# Altium PCB GN-1866-A-V2.PCBDOC (part 2 of 5) (continued)
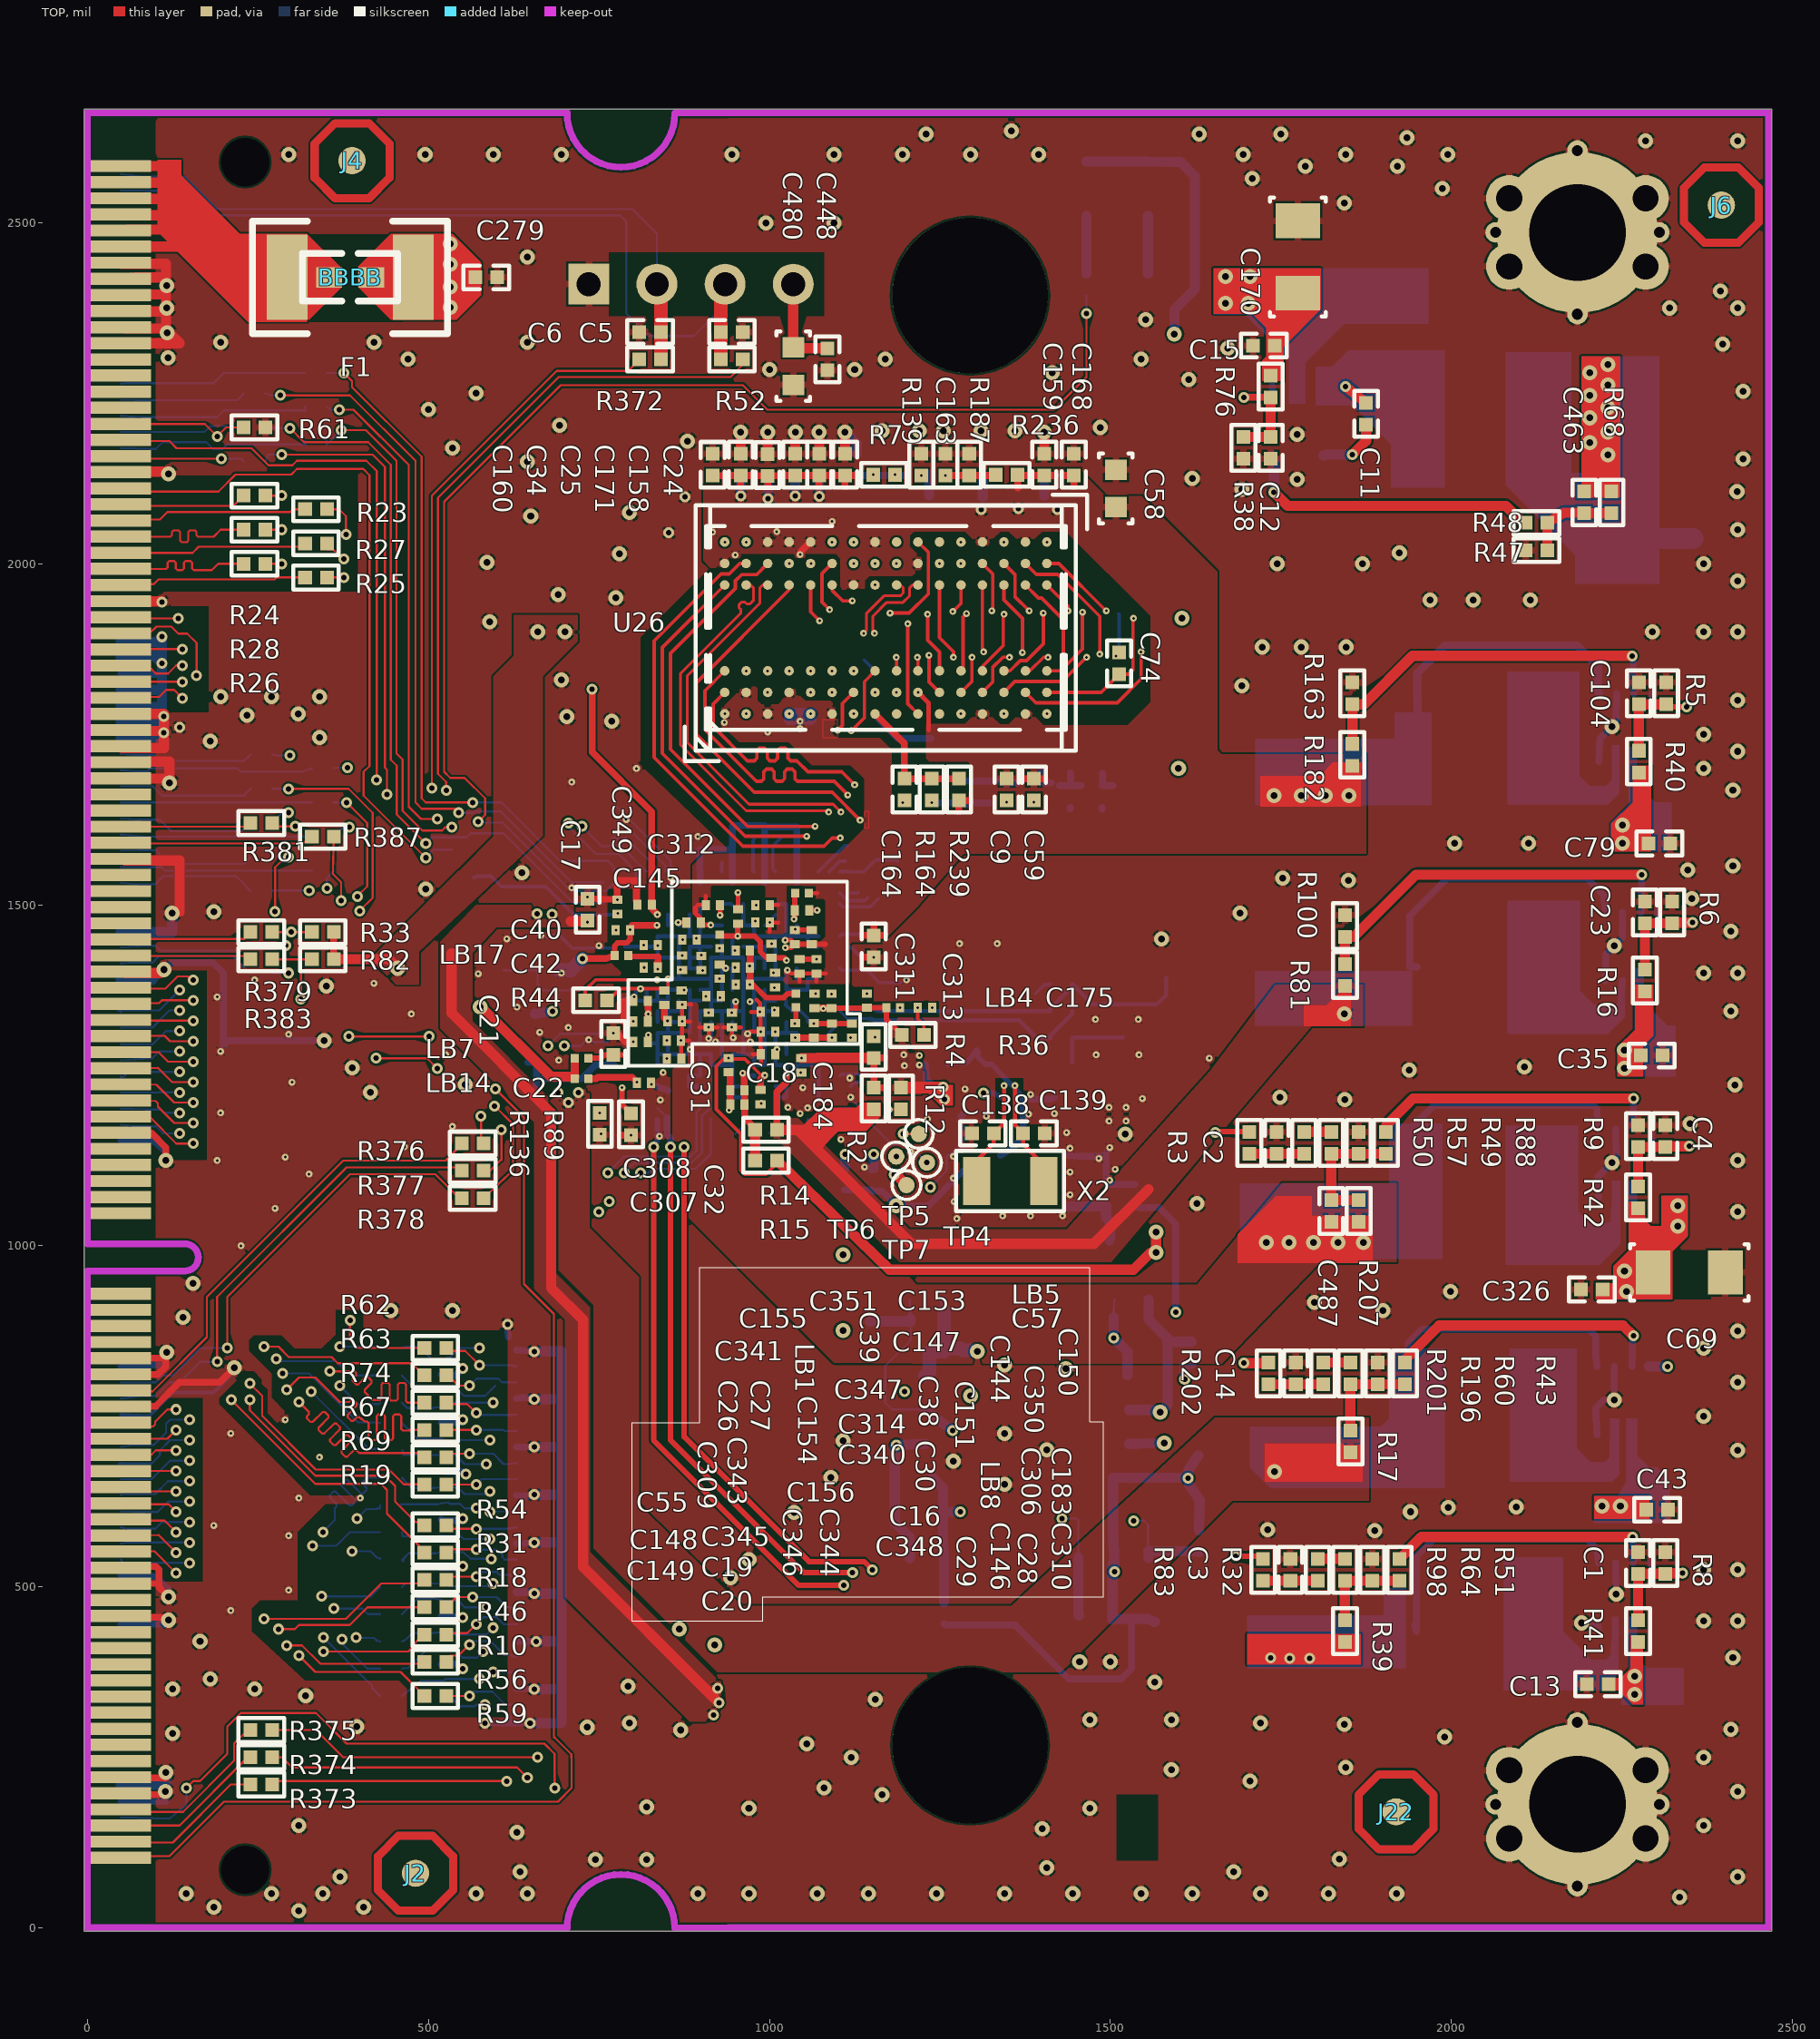
[diagram p0: TOP view]
## Nets (pads, with @x,y where several pads share a name; then routed paths per layer and width w, separated by ;. In a path a pad name is that pad's centre, name@x,y a point inside that pad or via, vN(x,y) a via of type N, cw(c..) or ccw(c..) an arc to the next point about the centre after c; other vN are vias at no path point) (continued)
  ART05 w3: v5(1051.84,1393.12) v1(1056.09,1406.86) ; v1(1280.92,1968.96) 1280.92,1948.08 1297.83,1931.17 v5(1297.83,1918.49)
DDR_CAS_N: U3.E4 U19.K3 U26.K3 | length 670.3
  TOP w5: v3(1217,1863) 1217.92,1862.08 U26.K3@1217.92,1842.98
  ART02 w3: v5(1213.81,1875) v3(1217,1863)
  ART03 w3: v5(1084.6,1485.61) 1108.62,1485.61 1120.01,1497 1191.92,1497 1241,1546.08 1241,1797.98 1214,1824.98 v5(1213.81,1875)
  ART05 w3: v1(1071.84,1485.6) v5(1084.6,1485.61) ; v5(1213.81,1875) 1227,1888.19 1227,1959.88 v1(1217.92,1968.96)
DDR_CKE0: U3.D3 U19.K9 U26.K9 | length 879.6
  TOP w5: v3(1176.9,1927.9) 1204.9,1927.9 1233,1956 1233,2016.87 U26.K9@1217.92,2031.95
  ART02 w3: v3(1176.9,1927.9) v5(1185.8,1919)
  ART03 w3: v5(1100,1502) 1107,1509 1186.94,1509 1229,1551.06 1229,1793 1202.81,1819.19 1202.81,1862.24 1200,1865.05 1200,1904.8 v5(1185.8,1919)
  ART05 w3: v1(1087.59,1501.35) v5(1100,1502) ; v5(1185.8,1919) 1199,1905.8 1199,1870 1212,1857 1220,1857 1233,1844 1233,1795.07 v1(1217.92,1779.99)
DDR_CLK_N: R7.1 U3.B1 U19.K7 U26.K7 | length 926.6
  TOP w4: v3(1154,1898) 1151.5,1900.5 1151.5,1923.06 1171.94,1943.5 1195.94,1943.5 1205.67,1953.23 1205.67,1964.7 1209.93,1968.96 U26.K7@1217.92,1968.96
  ART02 w3: v5(1154,1886) v3(1154,1898) ; v5(1177,2118.5) v3(1184,2130.5)
  ART03 w3.01: v5(1166,1534) 1174.99,1542.99 1181.48,1542.99 1193.01,1554.52 1193.01,1738.33 1175.49,1755.85 1175.49,1836.84 1147.33,1865 1147.33,1879.33 v5(1154,1886) 1146.01,1893.99 1146.01,1900.72 1161.87,1916.58 1161.87,1935 1175.01,1948.14 1175.01,2116.51 v5(1177,2118.5)
  ART05 w3.01: v1(1119.08,1532.84) 1120.23,1533.99 1143.15,1533.99 1148.58,1539.42 1160.58,1539.42 v5(1166,1534) ; v1(1217.92,1842.98) 1214.03,1842.98 1194.23,1862.78 1169.92,1862.78 v5@1152.48,1880.22 ; v5@1152.48,1880.22 1152.47,1884.47 v5(1154,1886) v5@1152.48,1880.22
DDR_CLK_P: R7.2 U3.B2 U19.J7 U26.J7 | length 926.2
  TOP w4: v3(1138,1898) 1142,1902 1142,1927 1168,1953 1192,1953 1196.17,1957.17 1196.17,1964.96 1192.17,1968.96 U26.J7@1186.43,1968.96
  ART02 w3: v5(1134,1886) v3(1138,1898) ; v3(1152,2130.5) v5(1155,2118.5)
  ART03 w3.01: v5(1155,2118.5) 1167,2106.5 1167,1951.46 1153.86,1938.32 1153.86,1919.9 1138,1904.04 1138,1890 v5(1134,1886) 1139.32,1880.68 1139.32,1861.68 1167.48,1833.52 1167.48,1752.53 1185,1735.01 1185,1557.84 1178.16,1551 1171,1551 v5(1166,1556)
  ART05 w3.01: v1(1103.33,1532.84) 1114.49,1544 1139,1544 1144.43,1549.43 1159.43,1549.43 v5(1166,1556) ; v5(1134,1886) 1141.4,1878.6 1141.4,1877.14 1165.77,1852.77 1190.08,1852.77 1193.88,1848.97 1193.88,1845.46 1191.4,1842.98 v1(1186.43,1842.98)
DDR_CS0_N: U3.F1 U19.L2 U26.L2 | length 736.3
  TOP w5: v3(1234,1866) 1234,1826.9 U26.L2@1249.42,1811.48
  ART02 w3: v3(1234,1866) v5(1242,1875)
  ART03 w3: v5(1131.1,1470) 1199.16,1470 1265,1535.84 1265,1809 1242,1832 v5(1242,1875)
  ART05 w3: v1(1119.08,1469.85) v5(1131.1,1470) ; v5(1242,1875) 1256,1889 1256,1926.99 1265,1935.99 1265,1984.5 1249.42,2000.08 v1(1249.42,2000.46)
DDR_DM0: U3.D17 U19.E7 | length 537.6
  ART03 w3: v5(880.11,1500.95) 880.11,1540.11 917,1577 917,1693.99 909,1701.99 v5(909,1846)
  ART05 w3: v1(867.11,1501.35) v5(880.11,1500.95) ; v5(909,1846) 919,1856 1047.42,1856 v1(1060.44,1842.98)
DDR_DM1: U3.D13 U19.D3 | length 548
  ART03 w3: v5(949,1487) 951,1489 951,1530.01 969,1548.01 969,1860 1015.2,1906.2 1015.2,1964.2 v5(1016,1965)
  ART05 w3: v1(946,1499) v5(949,1487) ; v5(1016,1965) v1(1028.35,1968.96)
  BOTTOM w5: U3.D13@930.11,1501.35 943.65,1501.35 v1(946,1499)
DDR_DM2: U3.E10 U26.E7 | length 553.2
  TOP w5: U26.E7@1060.44,1968.96 1060.44,1929.56 v3(1073.5,1916.5)
  ART02 w3: v3(1073.5,1916.5) v5(1078.35,1905.35)
  ART03 w3: v5(965.4,1481.6) 982,1498.2 982,1521 993,1532 993,1820 v5(1078.35,1905.35)
  ART05 w3: v5(965.4,1481.6) v1(977.35,1485.6)
DDR_DM3: U3.E6 U26.D3 | length 614.7
  ART02 w3: v3(1028.95,1842.98) v5(1044.75,1836.25)
  ART03 w3: v5(1044.75,1836.25) 1074,1807 1074,1698 1083,1689 1104,1689 1110,1683 1110,1649 1104,1643 1079,1643 1074,1638 1074,1624 1092,1606 1092,1590 1098.1,1583.9 1124,1583.9 1128,1579.9 1128,1571.9 1124,1567.9 1101,1567.9 1097,1563.9 1097,1555.9 1101,1551.9 1124,1551.9 1128,1547.9 1128,1539.9 1124,1535.9 1096,1535.9 1088.5,1528.4 1049.8,1528.4 1047,1525.6 1047,1494 v5(1054,1487)
  ART05 w3: v1(1040.34,1485.6) v5(1054,1487)
DDR_DQ0: U3.A16 U19.E3 | length 649.7
  ART05 w3: v1(882.86,1548.59) 882.86,1552.15 871.08,1563.93 871.08,1582.93 814,1640.01 814,1891 875,1952 1028,1952 1044.96,1968.96 v1(1060.44,1968.96)
DDR_DQ1: U3.B13 U19.F7 | length 582.5
  ART05 w3: v1(930.11,1532.84) 930.11,1547.55 920.08,1557.58 920.08,1565.92 911,1575 911,1607.53 878,1640.53 878,1848.99 910.01,1881 1057,1881 1091.94,1846.06 v1(1091.94,1842.98)
DDR_DQ2: U3.B16 U19.F2 | length 733
  ART05 w3: v1(882.86,1532.84) 873.1,1542.6 873.1,1551.89 864.08,1560.91 864.08,1579.92 807.2,1636.8 807.2,1656.8 803.9,1660.1 803.9,1898.9 889,1984 973,1984 978,1979 1001,1979 1004,1982 1073.48,1982 v1(1091.94,2000.46)
DDR_DQ3: U3.A13 U19.F8 | length 559.6
  ART05 w3: v1(930.11,1561.59) 930.11,1566.78 918,1578.89 918,1613.26 889.6,1641.66 889.6,1843.6 914.59,1868.59 1054.41,1868.59 1082.5,1840.5 1082.5,1820.92 v1(1091.94,1811.48)
  BOTTOM w5: U3.A13@930.11,1548.59 v1(930.11,1561.59)
DDR_DQ4: U3.C15 U19.H3 | length 780.2
  ART05 w3: v1(898.61,1517.1) 892.36,1523.35 892.36,1552.76 878.5,1566.62 878.5,1585.5 826.3,1637.7 826.3,1884.29 882.01,1940 1057.01,1940 1077,1959.99 1077,1972.91 1087.31,1983.22 1133.79,1983.22 1148.05,1968.96 v1(1154.93,1968.96)
DDR_DQ5: U3.C14 U19.H8 | length 742.2
  ART03 w3: v5(840,1823) 840,1853.7 877.45,1891.15 v5(901.9,1891.15)
  ART05 w3: v5(840,1823) 840,1633.6 884.7,1588.9 884.7,1569.19 898.36,1555.53 898.36,1533.1 v1(914.36,1517.1) ; v5(901.9,1891.15) 903.75,1893 1059,1893 1089,1863 1120.2,1863 1154.93,1828.27 v1(1154.93,1811.48)
DDR_DQ6: U3.C16 U19.G2 | length 810.8
  ART05 w3: v1(882.86,1517.1) 872.98,1526.98 872.98,1532.02 866.2,1538.8 866.2,1549.4 857,1558.6 857,1578.23 800,1635.23 800,1652 792.7,1659.3 792.7,1907.7 902,2017 1106.9,2017 v1(1123.44,2000.46)
DDR_DQ7: U3.E17 U19.H7 | length 737.7
  ART03 w3: v5(880.11,1481.95) 866,1496.06 866,1856.56 v5(882.06,1872.62)
  ART05 w3: v1(867.11,1485.6) v5(880.11,1481.95) ; v5(882.06,1872.62) 882.06,1888.05 899.01,1905 1062,1905 1095,1872 1124.99,1872 1138.03,1858.96 v1(1138.95,1858.96)
  BOTTOM w5: v1(1138.95,1858.96) U19.H7@1154.93,1842.98
DDR_DQ8: U3.A10 U19.D7 | length 342.5
  ART05 w3: v1(977.6,1595.86) 979,1597.26 979,1650.46 1018.1,1689.56 1018.1,1720.38 1060,1762.28 1060,1804 1028.95,1835.05 v1(1028.95,1842.98)
  BOTTOM w5: U3.A10@977.35,1548.59 976.1,1549.84 976.1,1594.36 v1(977.6,1595.86)
DDR_DQ9: U3.E13 U19.C3 | length 552.6
  ART03 w3: v5(945,1470) 935.9,1479.1 935.9,1490.9 942,1497 942,1540.02 957,1555.02 957,1865 984,1892 v5(984,1965)
  ART05 w3: v1(930.1,1485.6) 945,1470.7 v5(945,1470) ; v5(984,1965) v1(995.7,1968.3)
DDR_DQ10: U3.B10 U19.C8 | length 329.5
  ART05 w3: v1(977.35,1532.86) 980.08,1535.59 980.08,1579.32 968,1591.4 968,1600 971,1603 971,1659.39 1004.3,1692.69 1004.3,1733.8 1012.2,1741.7 1022.6,1741.7 1029.4,1748.5 1029.4,1763.61 997.45,1795.56 v1(997.45,1811.48)
DDR_DQ11: U3.E14 U19.C2 | length 548.9
  ART03 w3: v5(929.37,1501.12) 929.37,1544.37 945,1560 945,1870.99 967.08,1893.07 967.08,1969.08 v5(989,1991)
  ART05 w3: v1(914.35,1485.6) v5(929.37,1501.12) ; v5(989,1991) v1(997.45,2000.46)
DDR_DQ12: U3.C12 U19.A7 | length 361.5
  ART05 w3: v1(934.46,1842.98) 928.28,1842.98 901.5,1816.2 901.5,1670.5 931,1641 931,1583.87 945.85,1569.02 v1(945.85,1517.1)
DDR_DQ13: U3.D14 U19.A2 | length 555.7
  ART03 w3: v5(901.2,1500.93) 901.2,1542.21 929,1570.01 929,1701 921,1709 921,1863.99 938.8,1881.79 938.8,1982.66 v5(921,2000.46)
  ART05 w3: v5(901.2,1500.93) v1(914.35,1501.35) ; v5(921,2000.46) v1(934.46,2000.46)
DDR_DQ14: U3.C11 U19.B8 | length 382.4
  ART05 w3: v1(961.6,1517.1) 952,1526.7 952,1555.11 954.53,1557.64 954.53,1569.55 938,1586.08 938,1650.09 914,1674.09 914,1814.5 926.1,1826.6 950.84,1826.6 v1(965.96,1811.48)
DDR_DQ15: U3.C13 U19.A3 | length 494.4
  ART03 w3: v5(902,1649) 894.6,1656.4 894.6,1857.1 921.31,1883.81 921.31,1963.31 v5(923,1965)
  ART05 w3: v5(902,1649) 924.2,1626.8 924.2,1581.46 939.61,1566.05 939.61,1526.6 v1(930.11,1517.1) ; v5(923,1965) v1(934.46,1968.96)
DDR_DQ16: U3.C10 U26.E3 | length 369.2
  ART02 w3: v3(1060.44,1842.98) v5(1069.75,1831.15)
  ART05 w3: v1(977.35,1517.1) 987.1,1526.85 987.1,1572.7 987.2,1572.8 987.2,1641.67 1032,1686.47 1032,1718.44 1072,1758.44 1072,1828.9 v5(1069.75,1831.15)
DDR_DQ17: U3.A8 U26.F7 | length 505.1
  TOP w5: U26.F7@1091.94,1968.96 1091.94,1961.36 1107.7,1945.6 v3(1121.5,1945.6)
  ART02 w3: v5(1121.5,1932.9) v3(1121.5,1945.6)
  ART03 w3: v5(1089,1704) 1089,1773 1101.1,1785.1 1101.1,1803.9 1083.5,1821.5 1083.5,1840.5 1111,1868 1111,1910.7 1121.5,1921.2 v5(1121.5,1932.9)
  ART05 w3: v1(1018.85,1600) 1018.85,1619.85 1089,1690 v5(1089,1704)
  BOTTOM w5: U3.A8@1008.85,1548.59 1005,1552.44 1005,1586.15 v1(1018.85,1600)
DDR_DQ18: U3.C9 U26.F2 | length 334
  ART02 w3: v5(1086,1796) v3(1091.94,1811.48)
  ART05 w3: v1(993.1,1517.1) 993.35,1517.35 993.35,1543.35 994.3,1544.3 994.3,1633.78 1043.6,1683.08 1043.6,1714.2 1086,1756.6 v5(1086,1796)
DDR_DQ19: U3.E9 U26.F8 | length 601.4
  TOP w5: v3(1088.1,1932.8) 1077.1,1943.8 1077.1,1985.62 U26.F8@1091.94,2000.46
  ART02 w3: v3(1088.1,1932.8) v5(1097,1923.9)
  ART03 w3: v5(1011,1485) 1010,1485 995.6,1499.4 995.6,1516.6 1009.1,1530.1 1009.1,1740.9 1003.5,1746.5 1003.5,1812.8 1097,1906.3 v5(1097,1923.9)
  ART05 w3: v1(993.1,1485.6) v5(1011,1485)
DDR_DQ20: U3.B8 U26.H3 | length 373.4
  TOP w5: v3(1120,1755) 1139.2,1774.3 1139.2,1827.25 U26.H3@1154.93,1842.98
  ART02 w3: v5(1107,1740) v3(1120,1755)
  ART05 w3: v1(1008.85,1532.84) 1008.85,1622.59 1069.5,1683.24 1069.5,1708.2 1101.3,1740 v5(1107,1740)
DDR_DQ21: U3.D10 U26.H8 | length 589.4
  ART02 w3: v5(1146.3,1991.4) v3(1154.93,2000.46)
  ART03 w3: v5(965,1502) 965,1524 981,1540 981,1826.1 v5(1146.3,1991.4)
  ART05 w3: v5(965,1502) v1(977.34,1501.35)
DDR_DQ22: U3.C8 U26.G2 | length 378.7
  TOP w5: v3(1100,1756) 1107.1,1763.1 1107.1,1795.14 U26.G2@1123.44,1811.48
  ART02 w3: v3(1100,1756) v5(1105,1769)
  ART05 w3: v1(1008.85,1517.1) 999.35,1526.6 999.35,1537.96 1001,1539.61 1001,1627.47 1056.4,1682.87 1056.4,1711 1105,1759.6 v5(1105,1769)
DDR_DQ23: U3.C7 U26.H7 | length 526.9
  ART02 w3: v5(1148.5,1954.2) v3(1154.93,1968.96)
  ART03 w3: v5(1148,1713) 1148,1748.3 1121,1775.3 1121,1905.99 1136.54,1921.53 1136.54,1942.24 v5(1148.5,1954.2)
  ART05 w3: v1(1024.59,1517.1) 1034.2,1526.71 1034.2,1566.2 1050,1582 1050,1600 1140.98,1690.98 1141.02,1706.02 v5(1148,1713)
DDR_DQ24: U3.B3 U26.D7 | length 703.3
  TOP w5: U26.D7@1028.95,1968.96 1028.95,1961.94 893.3,1826.29 893.3,1749.37 977.67,1665 1092,1665 v3(1133,1624)
  ART02 w3: v3(1133,1624) v5(1152,1603)
  ART05 w3: v1(1087.59,1532.84) 1108.75,1554 1127,1554 1152,1579 v5(1152,1603)
DDR_DQ25: U3.D6 U26.C3 | length 568.8
  ART02 w3: v3(997.45,1842.98) v5(1025.9,1818.15)
  ART03 w3: v5(1025.9,1818.15) 1042.85,1818.15 1061.8,1799.2 1061.8,1677.21 1065.8,1673.21 1094,1673.21 1098,1669.21 1098,1661.21 1094,1657.21 1065.8,1657.21 1061.8,1653.21 1061.8,1616.7 1054.9,1609.8 1038,1609.8 1035,1606.8 1035,1561.14 1039,1557.14 1079.86,1557.14 1084,1553 1084,1545 1080.14,1541.14 1039,1541.14 1035,1537.14 1035,1508.72 v5(1027.23,1500.95)
  ART05 w3: v5(1027.23,1500.95) v1(1040.34,1501.35)
DDR_DQ26: U3.C5 U26.C8 | length 718.6
  TOP w5: U26.C8@997.45,2000.46 980.99,1984 959,1984 950.2,1975.2 950.2,1963.79 855,1868.59 855,1727.9 967.9,1615 v3(1067,1615)
  ART02 w3: v3(1067,1615) v5(1074,1604)
  ART05 w3: v1(1056.09,1517.1) 1046.34,1526.85 1046.34,1558.35 1074,1586.01 v5(1074,1604)
DDR_DQ27: U3.D9 U26.C2 | length 541.3
  ART02 w3: v3(997.45,1811.48) v5(1015.8,1793.8)
  ART03 w3: v5(1010,1502) 1023,1515 1023,1622.8 1027,1626.8 1044.8,1626.8 1049,1631 1049,1638.8 1045,1642.8 1027,1642.8 1023,1646.8 1023,1654.8 1027,1658.8 1044.8,1658.8 1049,1663 1049,1670.8 1045,1674.8 1027,1674.8 1023,1678.8 1023,1686.8 1027,1690.8 1044.8,1690.8 1049,1695 1049,1702.8 1045,1706.8 1027,1706.8 1023,1710.8 1023,1718.8 1027,1722.8 1044,1722.8 1048,1726.8 1048,1734.8 1044,1738.8 1031,1738.8 1027,1742.8 1027,1751 1031,1755 1043,1755 1047,1759 1047,1765 1044,1768 1028,1768 1015.8,1780.2 v5(1015.8,1793.8)
  ART05 w3: v1(993.1,1501.35) v5(1010,1502)
DDR_DQ28: U3.C6 U26.A7 | length 641.7
  TOP w5: U26.A7@934.46,1968.96 843,1877.5 843,1721.9 964.4,1600.5 v3(1054.5,1600.5)
  ART02 w3: v3(1054.5,1600.5) v5(1062,1591)
  ART05 w3: v1(1040.34,1517.1) 1040.34,1562.33 1062,1583.99 v5(1062,1591)
DDR_DQ29: U3.A3 U26.A2 | length 521.3
  TOP w5: U26.A2@934.46,1811.48 917.3,1794.32 917.3,1761.58 967.68,1711.2 977.83,1711.2 981.63,1715 981.63,1725.9 985.43,1729.7 993.03,1729.7 996.83,1725.9 996.83,1715 1000.63,1711.2 1008.23,1711.2 1012.03,1715 1012.03,1725.9 1015.83,1729.7 1023.43,1729.7 1027.23,1725.9 1027.23,1715 1031.03,1711.2 1040.1,1711.2 1056.3,1695 1106,1695 v3(1125,1676)
  ART02 w3: v3(1125,1676) v5(1136,1668)
  ART05 w3: v1(1111,1564) 1119,1564 1139,1584 1139,1665 v5(1136,1668)
  BOTTOM w5: U3.A3@1087.59,1548.59 1103,1564 v1(1111,1564)
DDR_DQ30: U3.A4 U26.B8 | length 767.8
  TOP w5: U26.B8@965.96,2000.46 956.46,2000.46 941,1985 929.01,1985 831,1886.99 831,1715.9 960.9,1586 1080,1586 1092,1598 v3(1104,1598)
  ART02 w3: v3(1104,1598) v5(1116,1599)
  ART05 w3: v1(1114,1587) 1116,1589 v5(1116,1599)
  BOTTOM w5: U3.A4@1071.84,1548.59 1110.25,1587 v1(1114,1587)
DDR_DQ31: U3.B4 U26.A3 | length 563
  TOP w5: U26.A3@934.46,1842.98 905.3,1813.82 905.3,1756.6 980.9,1681 987.98,1681 991.78,1684.8 991.78,1695.1 995.58,1698.9 1003.18,1698.9 1006.98,1695.1 1006.98,1684.8 1010.78,1681 1018.38,1681 1022.18,1684.8 1022.18,1695.1 1025.98,1698.9 1033.58,1698.9 1037.38,1695.1 1037.38,1684.8 1041.18,1681 1095,1681 v3(1115,1661)
  ART02 w3: v3(1115,1661) v5(1123.5,1652.5)
  ART05 w3: v1(1071.84,1532.84) 1076,1537 1076,1542.86 1108.14,1575 1116,1575 1128,1587 1128,1648 v5(1123.5,1652.5)
DDR_DQS0_N: U3.A14 U19.G3 | length 658.2
  ART05 w3.01: v1(914.36,1548.59) 912.42,1550.53 912.42,1560.58 900.81,1572.19 900.81,1599.33 864,1636.14 864,1887.44 893.56,1917 1067.56,1917 1088.56,1938 1093,1938 1108.62,1953.62 1108.62,1962.62 1114.96,1968.96 v1(1123.44,1968.96)
DDR_DQS0_P: U3.B14 U19.F3 | length 669.7
  ART05 w3.01: v1(914.36,1532.84) 904.84,1542.36 904.84,1559.17 894,1570.01 894,1591.98 853.99,1631.99 853.99,1891.59 889.41,1927.01 1063.41,1927.01 1084.41,1948.01 1088.85,1948.01 1098.61,1957.77 1098.61,1962.29 v1(1091.94,1968.96)
DDR_DQS1_N: U3.A11 U19.B7 | length 457.4
  ART05 w3.01: v1(961.6,1548.59) 964,1550.99 964,1572.05 948.99,1587.06 948.99,1673.65 975.99,1700.65 975.99,1709.44 973,1712.43 939.95,1712.43 930.59,1721.79 930.59,1736.59 939.45,1745.45 973,1745.45 975.99,1748.44 975.99,1755.44 973,1758.43 948.35,1758.43 939.49,1767.29 939.49,1782.59 948.35,1791.45 973,1791.45 975.99,1794.44 975.99,1840.99 974,1842.98 v1(965.96,1842.98)
DDR_DQS1_P: U3.B11 U19.C7 | length 473.3
  ART05 w3.01: v1(961.6,1532.86) 971.82,1543.08 971.82,1576.17 959,1588.99 959,1669.5 986,1696.5 986,1713.59 977.15,1722.44 944.1,1722.44 940.6,1725.94 940.6,1732.44 943.6,1735.44 977.15,1735.44 986,1744.29 986,1759.59 977.15,1768.44 952.5,1768.44 949.5,1771.44 949.5,1778.44 952.5,1781.44 977.15,1781.44 986,1790.29 986,1834.81 994.17,1842.98 v1(997.45,1842.98)
DDR_DQS2_N: U3.A7 U26.G3 | length 408.1
  ART02 w3: v5(1109,1849) v3(1123.44,1842.98)
  ART05 w3.01: v1(1024.59,1548.59) 1027,1551 1027,1575.01 1040,1588.01 1040,1607.99 1130,1697.99 1130,1724.15 1135.3,1729.45 1148.85,1729.45 1158.8,1739.4 1158.8,1755.34 1148.44,1765.7 1134.96,1765.7 1130,1770.66 1130,1817.15 1109,1838.15 v5(1109,1849)
DDR_DQS2_P: U3.B7 U26.F3 | length 411.1
  ART02 w3: v3(1091.94,1842.98) v5(1097.9,1829.2)
  ART05 w3.01: v1(1024.59,1532.84) 1015,1542.43 1015,1556 1017,1558 1016.99,1561 1016.99,1579.16 1029.99,1592.16 1029.99,1612.14 1119.99,1702.14 1119.99,1728.3 1131.15,1739.46 1144.7,1739.46 1148.79,1743.55 1148.79,1751.19 1144.29,1755.69 1130.81,1755.69 1119.99,1766.51 1119.99,1813 1103.79,1829.2 v5(1097.9,1829.2)
DDR_DQS3_N: U3.A5 U26.B7 | length 663
  TOP w4: U26.B7@965.96,1968.96 972.46,1968.96 976.46,1964.96 976.46,1946.09 971.63,1941.26 966.68,1941.26 964.14,1943.8 959.17,1943.8 955.64,1940.27 955.64,1935.32 958.19,1932.77 958.19,1927.82 869.7,1839.33 869.7,1734.31 966.01,1638 1085,1638 v3(1087,1636)
  ART02 w3: v3(1087,1636) v5(1091.5,1624.5)
  ART05 w3.01: v1(1056.09,1548.59) 1056.09,1554.26 1093.99,1592.16 1093.99,1622.01 v5(1091.5,1624.5)
DDR_DQS3_P: U3.B5 U26.C7 | length 679.2
  TOP w4: U26.C7@997.45,1968.96 989.96,1968.96 985.96,1964.96 985.96,1942.15 879.2,1835.39 879.2,1738.25 969.95,1647.5 1093.5,1647.5 v3(1105,1636)
  ART02 w3: v3(1105,1636) v5(1110.5,1624.5)
  ART05 w3.01: v1(1056.09,1532.84) 1066.7,1543.45 1066.7,1550.71 1104,1588.01 1104,1618 v5(1110.5,1624.5)
DDR_ODT: U3.F3 U19.K1 U26.K1 | length 864.1
  TOP w5: v3(1203,1912) 1203,1794.91 U26.K1@1217.92,1779.99
  ART02 w3: v3(1203,1912) v5(1214.19,1919)
  ART03 w3: v5(1100,1469.85) 1107.84,1469.85 1122.99,1485 1196.9,1485 1253,1541.1 1253,1802.96 1228,1827.96 1228,1905.19 v5(1214.19,1919)
  ART05 w3: v1(1087.59,1469.85) v5(1100,1469.85) ; v5(1214.19,1919) 1203,1930.19 1203,1985.99 1217.92,2000.91 v1(1217.92,2031.95)
DDR_RAS_N: U3.D4 U19.J3 U26.J3 | length 646.1
  TOP w5: v3(1186,1863) 1186.43,1862.57 U26.J3@1186.43,1842.98
  ART02 w3: v5(1185.8,1875) v3(1186,1863)
  ART03 w3: v5(1071.86,1514.16) 1092.96,1514.16 1099.8,1521 1181.96,1521 1215.29,1554.33 1215.29,1760.01 1189.85,1785.45 1189.85,1855.65 1185.8,1859.7 v5(1185.8,1875)
  ART05 w3: v1(1071.84,1501.35) v5(1071.86,1514.16) ; v5(1185.8,1875) 1169,1891.8 1169,1934 1186.43,1951.43 v1(1186.43,1968.96)
DDR_RESET_N: C74.1 C137.1 U3.J3 U19.T2 U26.T2 | length 1378.1
  TOP w5: U26.T2@1406.9,1811.48 1486.48,1811.48 C74.1@1513,1838 1527,1838 1533,1844 1533,1919 v3(1534,1920)
  ART02 w3: v5(1522,1919) v3(1534,1920)
  ART03 w3: v5(1473,1480) 1514.15,1480 1536,1501.85 1536,1905 v5(1522,1919)
  ART05 w3: v1(1087.59,1422.61) 1110.2,1400 1124.73,1400 1128.78,1395.95 1332.22,1395.95 1402.27,1466 1430,1466 1444,1480 v5(1473,1480) ; v1(1406.9,2000.46) 1468.54,2000.46 1512,1957 v1(1512,1927) 1520,1919 v5(1522,1919)
  BOTTOM w5: v1(1512,1927) 1513,1926 C137.1@1513,1870
DDR_WE_N: U3.F5 U19.L3 U26.L3 | length 841.6
  TOP w5: v3(1232,1926) 1232,1888 1249.42,1870.58 U26.L3@1249.42,1842.98
  ART02 w3: v3(1232,1926) v5(1242,1919)
  ART03 w3: v5(1052.84,1456.85) 1052.84,1459.85 1064.49,1471.5 1077.5,1471.5 1093.7,1455.3 1201.6,1455.3 1277,1530.7 1277,1814 1257,1834 1257,1904 v5(1242,1919)
  ART05 w3: v5(1052.84,1456.85) v1(1056.09,1469.85) ; v5(1242,1919) 1242,1938.51 1249.42,1945.93 v1(1249.42,1968.96)
DDR_ZQ: R261.1 U3.K2 | length 99.3
  BOTTOM w5: U3.K2@1103.33,1406.86 1106.19,1404 1143,1404 1161,1386 R261.1@1193,1386 R261.1@1194,1386
DUART0_RXD: C6.1 J1.203 J15.2 R372.2 | length 1006.8
  TOP w20: J15.2@835,2410 836.86,2399.45 841,2395.31 C6.1@841,2340 R372.2@841,2300
  BOTTOM w3: J1.203@49,2571.31 82,2568 142,2568 190,2520 799,2520 835,2484 J15.2@835,2410
DUART0_TXD: C5.1 J1.201 J15.3 R52.2 | length 1224
  TOP w20: R52.2@929,2300 C5.1@929,2335 ; C5.1@929,2340 C5.1@929,2335 ; J15.3@935,2410 932.87,2399.24 932.87,2395.04 929,2391.16 C5.1@929,2335
  BOTTOM w3: J1.201@49,2547.69 85,2547 148,2547 184,2511 781,2511 790,2502 790,2367 823,2334 889,2334 931,2376 931,2412 J15.3@935,2410
EPHY_CLK: J1.164 R22.1 | length 1027.7
  TOP w3: J1.164@49,2110.68 67,2106 192,2106 216.77,2130.77 298.77,2130.77 307,2139 404.42,2139 413.42,2130 413.42,1703.42 405,1695 405,1660 v4(496,1569)
  BOTTOM w3: v4(496,1569) 508,1581 533.79,1581 R22.1@534,1580.79
EPHY_CLK_A: R22.2 U3.E21 | length 281.2
  ART05 w3: v1(565,1580) 573.99,1571.01 573.99,1565.99 626,1513.98 737.98,1513.98 757,1494.95 794.77,1494.95 v1(804.12,1485.6)
EPHY_RSTN: J1.172 R61.1 U3.D19 | length 1223.4
  TOP w3: J1.172@49,2205.17 70,2204.8 70.19,2205 172,2205 v4(190,2187) 190.08,2186.92 203.16,2200 R61.1@229,2200
  ART03 w3: v4(190,2187) 277,2187 406,2058 406,1978 802,1582 802,1581 809,1581 850,1540 v5(850,1500)
  ART05 w3: v1(835.62,1501.35) 848.65,1501.35 v5(850,1500)
F_CONF_DONE: R385.1 U3.N24 | length 568.8
  ART05 w3: v4(325,1521) 325,1495.46 326.82,1493.64 369.59,1450.59 446.18,1374 663.62,1374 678,1359.62 v1(756.88,1359.62)
  BOTTOM w3: R385.1@271,1520 271,1521 v4(325,1521)
F_DATA0: R382.1 U3.R24 | length 850.8
  ART05 w3: v4(384,1614) 348,1650 283,1650 271,1638 271,1551 298,1524 298,1497 454,1341 528,1341 549,1320 707,1320 715.12,1328.12 v1(756.88,1328.12)
  BOTTOM w3: R382.1@360,1599 375,1614 v4(384,1614)
F_DCLK: R389.1 U3.P21 | length 755.3
  ART05 w3: v4(295,1635) 280,1620 280,1557 308.56,1528.44 308.56,1500 458.56,1350 532,1350 552,1330 705,1330 715,1340 791.13,1340 795,1343.87 v1(804.12,1343.87)
  BOTTOM w3: R389.1@271,1620 275,1625 285,1635 v4(295,1635)
F_NCONFIG: R388.1 U3.R23 | length 694
  TOP w3: v4(275,1490) 275,1555 290,1570 v4(295,1570)
  ART05 w3: v4(275,1490) 290,1490 448.5,1331.5 527,1331.5 547.41,1311.09 547.82,1311.5 712.5,1311.5 717.5,1316.5 760,1316.5 771.62,1328.12 v1(772.63,1328.12)
  BOTTOM w3: R388.1@271,1570 v4(295,1570)
F_NSTATUS: R386.1 U3.N23 | length 536.1
  ART05 w3: v4(351,1524) 351,1500 389.5,1461.5 438,1461.5 516.96,1382.54 674.46,1382.54 690,1367 740,1367 743,1370 762.25,1370 v1(772.63,1359.62)
  BOTTOM w3: v4(351,1524) 351,1539 R386.1@361,1550
F_SPI_CLK: R245.2 R375.1 U3.AD3 | length 1725.2
  TOP w3: R375.1@271,290 335,290 375,250 v4(660,250)
  ART05 w3: v4(660,250) 919,250 951,282 951,455 1129,633 1129,1095 1111,1113 v4(1111,1134) 1111,1137.59 1096.59,1152 1096.59,1174 1087.59,1183 v1(1087.59,1186.39)
  BOTTOM w15: R245.2@1110,1114 1111,1119 v4(1111,1134)
F_SPI_CS: J1.7 R265.2 U3.AC2 | length 2209.5
  TOP w3: v4(145,205) 155,215 165,215 205,255 205,295 225,315 335,315 380,270 670,270 685,255 v4(685,205)
  ART05 w3: v4(685,205) 931,205 988,262 988,443 1159,614 1159,1116 1153,1122 v4(1153,1134) 1153,1146 1159,1152 1159,1162 v1(1119,1202)
  BOTTOM w3: J1.7@49,161.87 120,160 145,180 v4(145,205) ; U3.AC2@1103.33,1202.14 v1(1119,1202)
  BOTTOM w15: R265.2@1150,1114 1153,1114 v4(1153,1134)
F_SPI_DI: R374.1 U3.AC3 | length 1789.3
  TOP w3: R374.1@271,250 285,250 300,235 630,235 v4(645,220)
  ART05 w3: v4(645,220) 928,220 973,265 973,446 1150,623 1150,1107 1138,1119 1138,1143 1147.72,1152.72 1147.72,1162.33 1128.06,1182 1122.73,1182 1107,1197.73 1092,1197.73 v1(1087.59,1202.14)
F_SPI_DO: R373.1 U3.AD2 | length 1719.6
  TOP w3: R373.1@271,210 271,211 275,215 v4(615,215)
  ART05 w3: v4(615,215) 635,235 922,235 961,274 961,449 1141,629 1141,1098 1129,1110 1129,1138 1106,1161 1106,1183.72 v1(1103.33,1186.39)
F_SYSTEM: J1.2 U3.AC24 | length 1964.4
  TOP w3: J1.2@49,102.81 50,105 120,105 200,185 690,185 710,205 710,249 709.5,249.5 709.5,254.5 685,279 684,279 684,900 640,944 640,1188 v4(598,1230)
  ART05 w3: v4(598,1230) 598.69,1229.31 609.39,1240 735,1240 756.88,1218.12 v1(756.88,1202.14)
FA_I2S_BCLK: R378.2 U3.AC22 | length 387.4
  TOP w3: R378.2@581,1070 624,1111 624,1178 v4(597,1205)
  ART05 w3: v4(597,1205) 606,1196 606,1195.86 616,1195.86 641.86,1170 760,1170 774.15,1184.15 774.15,1190.14 786.15,1202.14 v1(788.37,1202.14)
FA_I2S_DA0: R376.2 U3.AD22 | length 276.2
  TOP w3: v4(577,1190) 577,1150 R376.2@581,1150
  ART05 w3: v4(577,1190) 590,1190 594,1186 614.02,1186 637,1163.02 765,1163.02 v1(788.37,1186.39)
FA_I2S_LRCLK: R377.2 U3.AB21 | length 323.9
  TOP w3: R377.2@581,1110 590,1110 606,1126 607,1126 v4(607,1170)
  ART05 w3: v4(607,1170) 608,1170 622,1156 774.12,1156 804.12,1186 v1(804.12,1217.88)
G0_A1_I2C_CLK: R393.1 U3.U21 | length 1041.9
  TOP w3: v4(423,1275) 498,1275 v4(513,1260)
  ART05 w3: v4(297,1719) 258,1719 240,1701 240,1485 255,1470 255,1395 312,1338 381,1338 423,1296 v4(423,1275) ; v4(513,1260) 571,1260 579,1252 739,1252 774,1287 794.5,1287 v1(804.12,1296.62)
  BOTTOM w3: R393.1@271,1720 276,1719 v4(297,1719)
G0_A1_I2C_SDA: R392.1 U3.R21 | length 1160.1
  TOP w3: v4(383,1307) v4(501,1307)
  ART05 w3: v4(381,1701) 348,1701 309,1740 246,1740 231,1725 231,1479 240,1470 240,1395 306,1329 361,1329 v4(383,1307) ; v4(501,1307) 513,1296 531,1296 537,1290 585,1290 598,1277 717.88,1277 751,1310.12 771,1310.12 789,1328.12 v1(804.12,1328.12)
  BOTTOM w3: R392.1@361,1700 366,1701 v4(381,1701)
G0_A2_I2C_CLK: R391.1 U3.L22 | length 746.7
  TOP w3: v4(295,1670) 383,1670 418,1635 418,1510 v4(399,1491)
  ART05 w3: v4(399,1491) 434,1491 522,1403 681,1403 696,1388 765.89,1388 769,1391.11 v1(788.37,1391.11)
  BOTTOM w3: R391.1@271,1670 v4(295,1670)
G0_A2_I2C_SDA: R390.1 U3.K23 | length 603.6
  TOP w3: v4(380,1650) 410,1620 410,1527 396,1513 v4(396,1512)
  ART05 w3: v4(396,1512) 430,1512 528.5,1413.5 685.5,1413.5 702,1397 762.77,1397 v1(772.63,1406.86)
  BOTTOM w3: R390.1@361,1650 v4(380,1650)
G2_A1_I2C_CLK: R381.1 U3.K24 | length 574.5
  TOP w3: R381.1@271,1620 275,1615 v4(305,1615)
  ART05 w3: v4(305,1615) 306,1614 343,1614 533.5,1423.5 693.5,1423.5 710,1407 730,1407 730.14,1406.86 v1(756.88,1406.86)
G2_A1_I2C_SDA: R387.1 U3.M23 | length 561.9
  TOP w3: R387.1@361,1600 360,1545 372,1533 v4(372,1506)
  ART05 w3: v4(372,1506) 372,1492 393.5,1470.5 441.5,1470.5 518,1394 678,1394 693,1379 768.36,1379 772,1375.36 v1(772.63,1375.36)
G2_A2_I2C_CLK: R82.2 R383.1 U3.AA20 | length 801.3
  TOP w3: R383.1@271,1420 313,1420 ; v4(313,1362) 313,1420 ; R82.2@329,1420 313,1420
  ART05 w3: v4(313,1362) 325,1350 382,1350 451,1281 464,1281 485,1260 485,1232 575,1142 780,1142 823,1185 823,1225.87 819.87,1229 v1(819.87,1233.63)
G2_A2_I2C_SDA: R33.2 R379.1 U3.AA21 | length 884.6
  TOP w3: R379.1@271,1460 v4(299,1460) R33.2@329,1460
  ART05 w3: v4(299,1460) 270,1460 265,1455 265,1405 286.5,1383.5 316,1383.5 340.5,1359 385,1359 453,1291 468,1291 495,1264 495,1234 580,1149 777,1149 815,1187 815,1222.75 v1(804.12,1233.63)